# KiCad board KeyBoard.kicad_pcb
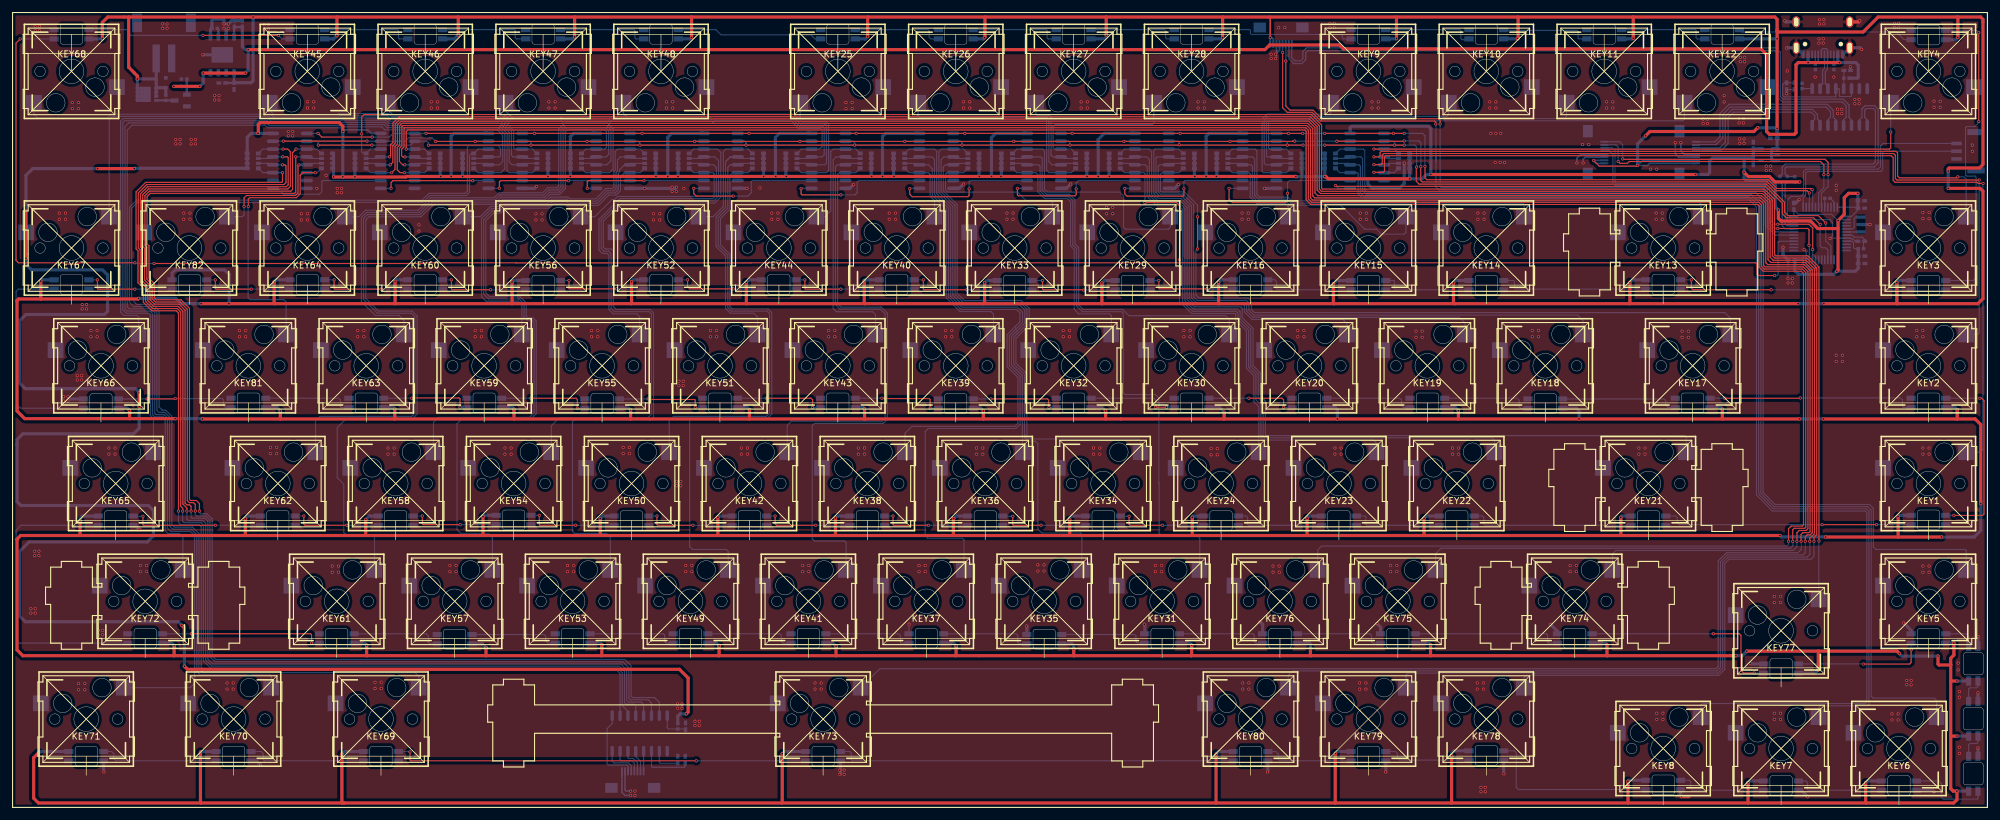
[diagram p0: board, top side]
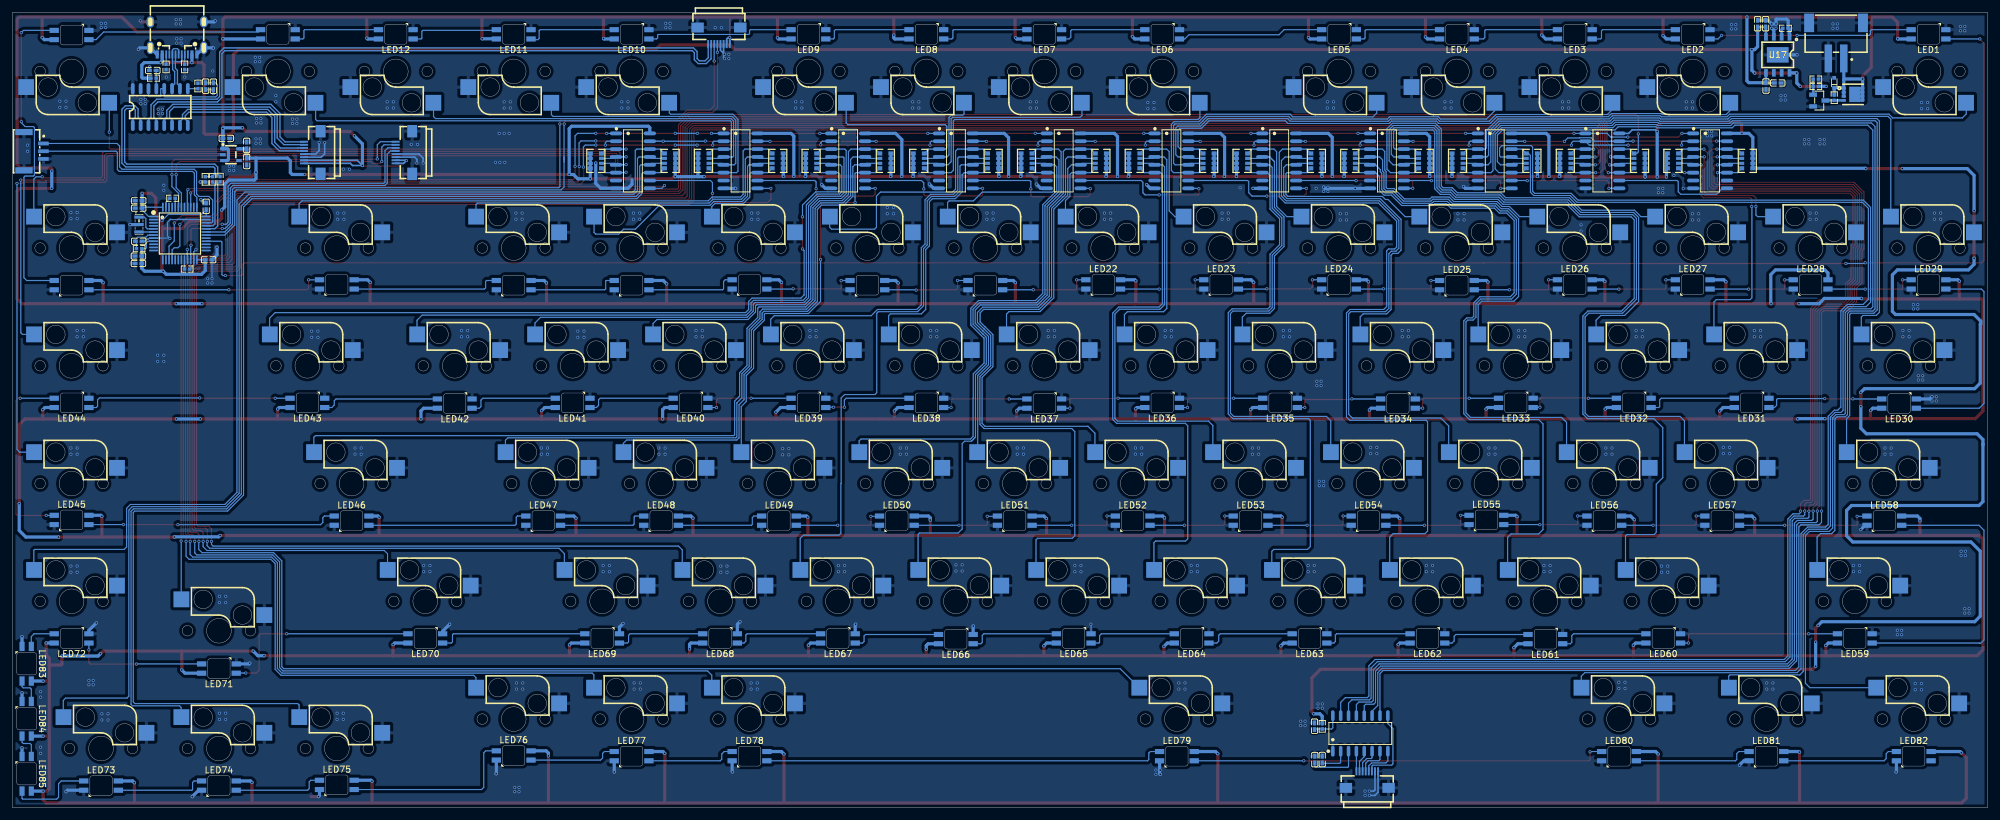
[diagram p1: board, bottom side, seen from below]

Outline 319.15 x 128.65 mm; copper layers: Top, Bottom. Coordinates in mm from the lower left corner of the outline.
Outline path: rectangle 0,128.65 319.15,0
Stack: Top 0.035mm / dielectric 1.51mm FR4 er 4.5 / Bottom 0.035mm

## Placement (name value [footprint] x y rotation side)
C1  4.7nF  [C0402]  107.51 7.78 90 bottom
C2  5pF  [C0402]  108.71 7.77 270 bottom
C3  100nF  [C0402]  108.76 13.17 270 bottom
C4  10uF  [C0402]  284.59 108.28 180 bottom
C5  10uF  [C0402]  281.29 107.12 90 bottom
C6  100nF  [C0402]  281.29 104.53 270 bottom
C7  100nF  [C0402]  298.73 91.63 180 bottom
C8  10uF  [C0402]  298.78 88.03 0 bottom
C9  100nF  [C0402]  298.78 89.23 0 bottom
C10  100nF  [C0402]  287.44 88.63 180 bottom
C11  100nF  [C0402]  298.74 96.98 0 bottom
C12  100nF  [C0402]  298.74 98.18 0 bottom
C13  100nF  [C0402]  287.84 97.27 90 bottom
C14  10uF  [C0402]  286.67 116.7 270 bottom
C15  100nF  [C0402]  287.92 116.71 90 bottom
C16  10uF  [C0402]  296.46 119.26 0 bottom
C17  100nF  [C0402]  37.16 126.82 270 bottom
C18  10uF  [C0402]  35.86 126.82 90 bottom
C19  100nF  [C0402]  35.81 116.73 90 bottom
C20  10uF  [C0402]  33.91 117.23 180 bottom
CN1  ~  [CONN-TH_3P-P1.25_GH1.25]  315.7 106.19 270 bottom
D1  ~  [SOD-523_L1.2-W0.8-LS1.6-FD]  24.79 117.26 270 bottom
FPC1  ~  [FPC-SMD_P0.50-8P_FGS-XJ-H2.0]  100.24 4.54 0 bottom
FPC2  ~  [FPC-SMD_P0.50-8P_FGS-XJ-H2.0]  204.99 124.86 180 bottom
FPC3  ~  [FPC-SMD_P0.50-8P_FGS-XJ-H2.0]  255.89 105.98 270 bottom
FPC4  ~  [FPC-SMD_P0.50-8P_FGS-XJ-H2.0]  270.69 105.98 270 bottom
KEY1  ~  [轴座_焊接热插拔_不带灯A]  309.59 52.43 0 top
KEY2  ~  [轴座_焊接热插拔_不带灯A]  309.59 71.48 0 top
KEY3  ~  [轴座_焊接热插拔_不带灯A]  309.59 90.53 0 top
KEY4  ~  [轴座_焊接热插拔_不带灯A]  309.59 119.1 180 top
KEY5  ~  [轴座_焊接热插拔_不带灯A]  309.59 33.38 0 top
KEY6  ~  [轴座_焊接热插拔_不带灯A]  304.83 9.56 0 top
KEY7  ~  [轴座_焊接热插拔_不带灯A]  285.78 9.56 0 top
KEY8  ~  [轴座_焊接热插拔_不带灯A]  266.73 9.56 0 top
KEY9  ~  [轴座_焊接热插拔_不带灯A]  219.1 119.1 180 top
KEY10  ~  [轴座_焊接热插拔_不带灯A]  238.15 119.1 180 top
KEY11  ~  [轴座_焊接热插拔_不带灯A]  257.2 119.1 180 top
KEY12  ~  [轴座_焊接热插拔_不带灯A]  276.25 119.1 180 top
KEY13  ~  [轴座_焊接热插拔_不带灯A]  266.73 90.53 0 top
KEY14  ~  [轴座_焊接热插拔_不带灯A]  238.15 90.53 0 top
KEY15  ~  [轴座_焊接热插拔_不带灯A]  219.1 90.53 0 top
KEY16  ~  [轴座_焊接热插拔_不带灯A]  200.05 90.53 0 top
KEY17  ~  [轴座_焊接热插拔_不带灯A]  271.49 71.48 0 top
KEY18  ~  [轴座_焊接热插拔_不带灯A]  247.68 71.48 0 top
KEY19  ~  [轴座_焊接热插拔_不带灯A]  228.63 71.48 0 top
KEY20  ~  [轴座_焊接热插拔_不带灯A]  209.58 71.48 0 top
KEY21  ~  [轴座_焊接热插拔_不带灯A]  264.34 52.43 0 top
KEY22  ~  [轴座_焊接热插拔_不带灯A]  233.39 52.43 0 top
KEY23  ~  [轴座_焊接热插拔_不带灯A]  214.34 52.43 0 top
KEY24  ~  [轴座_焊接热插拔_不带灯A]  195.29 52.43 0 top
KEY25  ~  [轴座_焊接热插拔_不带灯A]  133.38 119.1 180 top
KEY26  ~  [轴座_焊接热插拔_不带灯A]  152.43 119.1 180 top
KEY27  ~  [轴座_焊接热插拔_不带灯A]  171.48 119.1 180 top
KEY28  ~  [轴座_焊接热插拔_不带灯A]  190.53 119.1 180 top
KEY29  ~  [轴座_焊接热插拔_不带灯A]  181 90.53 0 top
KEY30  ~  [轴座_焊接热插拔_不带灯A]  190.53 71.48 0 top
KEY31  ~  [轴座_焊接热插拔_不带灯A]  185.76 33.38 0 top
KEY32  ~  [轴座_焊接热插拔_不带灯A]  171.48 71.48 0 top
KEY33  ~  [轴座_焊接热插拔_不带灯A]  161.95 90.53 0 top
KEY34  ~  [轴座_焊接热插拔_不带灯A]  176.24 52.43 0 top
KEY35  ~  [轴座_焊接热插拔_不带灯A]  166.71 33.38 0 top
KEY36  ~  [轴座_焊接热插拔_不带灯A]  157.19 52.43 0 top
KEY37  ~  [轴座_焊接热插拔_不带灯A]  147.66 33.38 0 top
KEY38  ~  [轴座_焊接热插拔_不带灯A]  138.14 52.43 0 top
KEY39  ~  [轴座_焊接热插拔_不带灯A]  152.43 71.48 0 top
KEY40  ~  [轴座_焊接热插拔_不带灯A]  142.9 90.53 0 top
KEY41  ~  [轴座_焊接热插拔_不带灯A]  128.61 33.38 0 top
KEY42  ~  [轴座_焊接热插拔_不带灯A]  119.09 52.43 0 top
KEY43  ~  [轴座_焊接热插拔_不带灯A]  133.38 71.48 0 top
KEY44  ~  [轴座_焊接热插拔_不带灯A]  123.85 90.53 0 top
KEY45  ~  [轴座_焊接热插拔_不带灯A]  47.65 119.1 180 top
KEY46  ~  [轴座_焊接热插拔_不带灯A]  66.7 119.1 180 top
KEY47  ~  [轴座_焊接热插拔_不带灯A]  85.75 119.1 180 top
KEY48  ~  [轴座_焊接热插拔_不带灯A]  104.8 119.1 180 top
KEY49  ~  [轴座_焊接热插拔_不带灯A]  109.56 33.38 0 top
KEY50  ~  [轴座_焊接热插拔_不带灯A]  100.04 52.43 0 top
KEY51  ~  [轴座_焊接热插拔_不带灯A]  114.33 71.48 0 top
KEY52  ~  [轴座_焊接热插拔_不带灯A]  104.8 90.53 0 top
KEY53  ~  [轴座_焊接热插拔_不带灯A]  90.51 33.38 0 top
KEY54  ~  [轴座_焊接热插拔_不带灯A]  80.99 52.43 0 top
KEY55  ~  [轴座_焊接热插拔_不带灯A]  95.28 71.48 0 top
KEY56  ~  [轴座_焊接热插拔_不带灯A]  85.75 90.53 0 top
KEY57  ~  [轴座_焊接热插拔_不带灯A]  71.46 33.38 0 top
KEY58  ~  [轴座_焊接热插拔_不带灯A]  61.94 52.43 0 top
KEY59  ~  [轴座_焊接热插拔_不带灯A]  76.23 71.48 0 top
KEY60  ~  [轴座_焊接热插拔_不带灯A]  66.7 90.53 0 top
KEY61  ~  [轴座_焊接热插拔_不带灯A]  52.41 33.38 0 top
KEY62  ~  [轴座_焊接热插拔_不带灯A]  42.89 52.43 0 top
KEY63  ~  [轴座_焊接热插拔_不带灯A]  57.18 71.48 0 top
KEY64  ~  [轴座_焊接热插拔_不带灯A]  47.65 90.53 0 top
KEY65  ~  [轴座_焊接热插拔_不带灯A]  16.69 52.43 0 top
KEY66  ~  [轴座_焊接热插拔_不带灯A]  14.31 71.48 0 top
KEY67  ~  [轴座_焊接热插拔_不带灯A]  9.55 90.53 0 top
KEY68  ~  [轴座_焊接热插拔_不带灯A]  9.55 119.1 180 top
KEY69  ~  [轴座_焊接热插拔_不带灯A]  59.56 14.33 0 top
KEY70  ~  [轴座_焊接热插拔_不带灯A]  35.74 14.33 0 top
KEY71  ~  [轴座_焊接热插拔_不带灯A]  11.93 14.33 0 top
KEY72  ~  [轴座_焊接热插拔_不带灯A]  21.46 33.38 0 top
KEY73  ~  [轴座_焊接热插拔_不带灯A]  130.99 14.33 0 top
KEY74  ~  [轴座_焊接热插拔_不带灯A]  252.44 33.38 0 top
KEY75  ~  [轴座_焊接热插拔_不带灯A]  223.86 33.38 0 top
KEY76  ~  [轴座_焊接热插拔_不带灯A]  204.81 33.38 0 top
KEY77  ~  [轴座_焊接热插拔_不带灯A]  285.78 28.61 0 top
KEY78  ~  [轴座_焊接热插拔_不带灯A]  238.15 14.33 0 top
KEY79  ~  [轴座_焊接热插拔_不带灯A]  219.1 14.33 0 top
KEY80  ~  [轴座_焊接热插拔_不带灯A]  200.05 14.33 0 top
KEY81  ~  [轴座_焊接热插拔_不带灯A]  38.13 71.48 0 top
KEY82  ~  [轴座_焊接热插拔_不带灯A]  28.6 90.53 0 top
LED1  ~  [LED-SMD_L3.2-W2.8_YO-WS2812B-3528A]  9.55 125.1 0 bottom
LED2  ~  [LED-SMD_L3.2-W2.8_YO-WS2812B-3528A]  47.65 125.1 0 bottom
LED3  ~  [LED-SMD_L3.2-W2.8_YO-WS2812B-3528A]  66.7 125.1 0 bottom
LED4  ~  [LED-SMD_L3.2-W2.8_YO-WS2812B-3528A]  85.75 125.1 0 bottom
LED5  ~  [LED-SMD_L3.2-W2.8_YO-WS2812B-3528A]  104.8 125.1 0 bottom
LED6  ~  [LED-SMD_L3.2-W2.8_YO-WS2812B-3528A]  133.38 125.1 0 bottom
LED7  ~  [LED-SMD_L3.2-W2.8_YO-WS2812B-3528A]  152.43 125.1 0 bottom
LED8  ~  [LED-SMD_L3.2-W2.8_YO-WS2812B-3528A]  171.48 125.1 0 bottom
LED9  ~  [LED-SMD_L3.2-W2.8_YO-WS2812B-3528A]  190.53 125.1 0 bottom
LED10  ~  [LED-SMD_L3.2-W2.8_YO-WS2812B-3528A]  219.1 125.1 0 bottom
LED11  ~  [LED-SMD_L3.2-W2.8_YO-WS2812B-3528A]  238.15 125.1 0 bottom
LED12  ~  [LED-SMD_L3.2-W2.8_YO-WS2812B-3528A]  257.2 125.1 0 bottom
LED13  ~  [LED-SMD_L3.2-W2.8_YO-WS2812B-3528A]  276.25 125.1 0 bottom
LED14  ~  [LED-SMD_L3.2-W2.8_YO-WS2812B-3528A]  309.59 124.99 0 bottom
LED15  ~  [LED-SMD_L3.2-W2.8_YO-WS2812B-3528A]  309.59 84.53 180 bottom
LED16  ~  [LED-SMD_L3.2-W2.8_YO-WS2812B-3528A]  266.73 84.64 180 bottom
LED17  ~  [LED-SMD_L3.2-W2.8_YO-WS2812B-3528A]  238.15 84.53 180 bottom
LED18  ~  [LED-SMD_L3.2-W2.8_YO-WS2812B-3528A]  219.1 84.53 180 bottom
LED19  ~  [LED-SMD_L3.2-W2.8_YO-WS2812B-3528A]  200.05 84.64 180 bottom
LED20  ~  [LED-SMD_L3.2-W2.8_YO-WS2812B-3528A]  181 84.53 180 bottom
LED21  ~  [LED-SMD_L3.2-W2.8_YO-WS2812B-3528A]  161.95 84.53 180 bottom
LED22  ~  [LED-SMD_L3.2-W2.8_YO-WS2812B-3528A]  142.9 84.64 180 bottom
LED23  ~  [LED-SMD_L3.2-W2.8_YO-WS2812B-3528A]  123.85 84.64 180 bottom
LED24  ~  [LED-SMD_L3.2-W2.8_YO-WS2812B-3528A]  104.8 84.64 180 bottom
LED25  ~  [LED-SMD_L3.2-W2.8_YO-WS2812B-3528A]  85.75 84.53 180 bottom
LED26  ~  [LED-SMD_L3.2-W2.8_YO-WS2812B-3528A]  66.7 84.64 180 bottom
LED27  ~  [LED-SMD_L3.2-W2.8_YO-WS2812B-3528A]  47.65 84.64 180 bottom
LED28  ~  [LED-SMD_L3.2-W2.8_YO-WS2812B-3528A]  28.6 84.64 180 bottom
LED29  ~  [LED-SMD_L3.2-W2.8_YO-WS2812B-3528A]  9.55 84.64 180 bottom
LED30  ~  [LED-SMD_L3.2-W2.8_YO-WS2812B-3528A]  14.31 65.36 0 bottom
LED31  ~  [LED-SMD_L3.2-W2.8_YO-WS2812B-3528A]  38.13 65.48 0 bottom
LED32  ~  [LED-SMD_L3.2-W2.8_YO-WS2812B-3528A]  57.18 65.48 0 bottom
LED33  ~  [LED-SMD_L3.2-W2.8_YO-WS2812B-3528A]  76.23 65.48 0 bottom
LED34  ~  [LED-SMD_L3.2-W2.8_YO-WS2812B-3528A]  95.28 65.36 0 bottom
LED35  ~  [LED-SMD_L3.2-W2.8_YO-WS2812B-3528A]  114.33 65.48 0 bottom
LED36  ~  [LED-SMD_L3.2-W2.8_YO-WS2812B-3528A]  133.38 65.48 0 bottom
LED37  ~  [LED-SMD_L3.2-W2.8_YO-WS2812B-3528A]  152.43 65.36 0 bottom
LED38  ~  [LED-SMD_L3.2-W2.8_YO-WS2812B-3528A]  171.48 65.48 0 bottom
LED39  ~  [LED-SMD_L3.2-W2.8_YO-WS2812B-3528A]  190.53 65.48 0 bottom
LED40  ~  [LED-SMD_L3.2-W2.8_YO-WS2812B-3528A]  209.58 65.48 0 bottom
LED41  ~  [LED-SMD_L3.2-W2.8_YO-WS2812B-3528A]  228.63 65.48 0 bottom
LED42  ~  [LED-SMD_L3.2-W2.8_YO-WS2812B-3528A]  247.68 65.36 0 bottom
LED43  ~  [LED-SMD_L3.2-W2.8_YO-WS2812B-3528A]  271.49 65.48 0 bottom
LED44  ~  [LED-SMD_L3.2-W2.8_YO-WS2812B-3528A]  309.59 65.48 0 bottom
LED45  ~  [LED-SMD_L3.2-W2.8_YO-WS2812B-3528A]  309.59 46.54 180 bottom
LED46  ~  [LED-SMD_L3.2-W2.8_YO-WS2812B-3528A]  264.34 46.43 180 bottom
LED47  ~  [LED-SMD_L3.2-W2.8_YO-WS2812B-3528A]  233.39 46.43 180 bottom
LED48  ~  [LED-SMD_L3.2-W2.8_YO-WS2812B-3528A]  214.34 46.43 180 bottom
LED49  ~  [LED-SMD_L3.2-W2.8_YO-WS2812B-3528A]  195.29 46.43 180 bottom
LED50  ~  [LED-SMD_L3.2-W2.8_YO-WS2812B-3528A]  176.24 46.43 180 bottom
LED51  ~  [LED-SMD_L3.2-W2.8_YO-WS2812B-3528A]  157.19 46.43 180 bottom
LED52  ~  [LED-SMD_L3.2-W2.8_YO-WS2812B-3528A]  138.14 46.43 180 bottom
LED53  ~  [LED-SMD_L3.2-W2.8_YO-WS2812B-3528A]  119.09 46.43 180 bottom
LED54  ~  [LED-SMD_L3.2-W2.8_YO-WS2812B-3528A]  100.04 46.43 180 bottom
LED55  ~  [LED-SMD_L3.2-W2.8_YO-WS2812B-3528A]  80.99 46.54 180 bottom
LED56  ~  [LED-SMD_L3.2-W2.8_YO-WS2812B-3528A]  61.94 46.43 180 bottom
LED57  ~  [LED-SMD_L3.2-W2.8_YO-WS2812B-3528A]  42.89 46.43 180 bottom
LED58  ~  [LED-SMD_L3.2-W2.8_YO-WS2812B-3528A]  16.69 46.43 180 bottom
LED59  ~  [LED-SMD_L3.2-W2.8_YO-WS2812B-3528A]  21.46 27.38 0 bottom
LED60  ~  [LED-SMD_L3.2-W2.8_YO-WS2812B-3528A]  52.41 27.38 0 bottom
LED61  ~  [LED-SMD_L3.2-W2.8_YO-WS2812B-3528A]  71.46 27.26 0 bottom
LED62  ~  [LED-SMD_L3.2-W2.8_YO-WS2812B-3528A]  90.51 27.38 0 bottom
LED63  ~  [LED-SMD_L3.2-W2.8_YO-WS2812B-3528A]  109.56 27.38 0 bottom
LED64  ~  [LED-SMD_L3.2-W2.8_YO-WS2812B-3528A]  128.61 27.38 0 bottom
LED65  ~  [LED-SMD_L3.2-W2.8_YO-WS2812B-3528A]  147.66 27.38 0 bottom
LED66  ~  [LED-SMD_L3.2-W2.8_YO-WS2812B-3528A]  166.71 27.26 0 bottom
LED67  ~  [LED-SMD_L3.2-W2.8_YO-WS2812B-3528A]  185.76 27.38 0 bottom
LED68  ~  [LED-SMD_L3.2-W2.8_YO-WS2812B-3528A]  204.81 27.38 0 bottom
LED69  ~  [LED-SMD_L3.2-W2.8_YO-WS2812B-3528A]  223.86 27.38 0 bottom
LED70  ~  [LED-SMD_L3.2-W2.8_YO-WS2812B-3528A]  252.44 27.38 0 bottom
LED71  ~  [LED-SMD_L3.2-W2.8_YO-WS2812B-3528A]  285.78 22.5 0 bottom
LED72  ~  [LED-SMD_L3.2-W2.8_YO-WS2812B-3528A]  309.59 27.38 0 bottom
LED73  ~  [LED-SMD_L3.2-W2.8_YO-WS2812B-3528A]  304.83 3.56 180 bottom
LED74  ~  [LED-SMD_L3.2-W2.8_YO-WS2812B-3528A]  285.78 3.56 180 bottom
LED75  ~  [LED-SMD_L3.2-W2.8_YO-WS2812B-3528A]  266.73 3.68 180 bottom
LED76  ~  [LED-SMD_L3.2-W2.8_YO-WS2812B-3528A]  238.15 8.44 180 bottom
LED77  ~  [LED-SMD_L3.2-W2.8_YO-WS2812B-3528A]  219.1 8.33 180 bottom
LED78  ~  [LED-SMD_L3.2-W2.8_YO-WS2812B-3528A]  200.05 8.33 180 bottom
LED79  ~  [LED-SMD_L3.2-W2.8_YO-WS2812B-3528A]  130.99 8.33 180 bottom
LED80  ~  [LED-SMD_L3.2-W2.8_YO-WS2812B-3528A]  59.56 8.33 180 bottom
LED81  ~  [LED-SMD_L3.2-W2.8_YO-WS2812B-3528A]  35.74 8.33 180 bottom
LED82  ~  [LED-SMD_L3.2-W2.8_YO-WS2812B-3528A]  11.93 8.33 180 bottom
LED83  ~  [LED-SMD_L3.2-W2.8_YO-WS2812B-3528A]  316.84 23.28 270 bottom
LED84  ~  [LED-SMD_L3.2-W2.8_YO-WS2812B-3528A]  316.84 14.38 270 bottom
LED85  ~  [LED-SMD_L3.2-W2.8_YO-WS2812B-3528A]  316.84 5.48 270 bottom
Q1  ~  [POWERTDFN-8_L3.1-W3.1-P0.65-LS3.3-BL]  21.75 115.38 270 bottom
Q2  ~  [SOT-23-3_L2.9-W1.3-P1.90-LS2.4-BR]  27.2 114.39 0 bottom
R1  10kΩ  [RES-ARRAY-SMD_0603-8P-L3.2-W1.6-BL]  224.87 104.63 90 bottom
R2  10kΩ  [RES-ARRAY-SMD_0603-8P-L3.2-W1.6-BL]  212.89 104.63 270 bottom
R3  10kΩ  [RES-ARRAY-SMD_0603-8P-L3.2-W1.6-BL]  207.48 104.63 90 bottom
R4  10kΩ  [RES-ARRAY-SMD_0603-8P-L3.2-W1.6-BL]  195.5 104.63 270 bottom
R5  10kΩ  [RES-ARRAY-SMD_0603-8P-L3.2-W1.6-BL]  190.09 104.63 90 bottom
R6  10kΩ  [RES-ARRAY-SMD_0603-8P-L3.2-W1.6-BL]  178.11 104.63 270 bottom
R7  10kΩ  [RES-ARRAY-SMD_0603-8P-L3.2-W1.6-BL]  172.69 104.63 90 bottom
R8  10kΩ  [RES-ARRAY-SMD_0603-8P-L3.2-W1.6-BL]  160.69 104.63 270 bottom
R9  10kΩ  [RES-ARRAY-SMD_0603-8P-L3.2-W1.6-BL]  155.28 104.63 90 bottom
R10  10kΩ  [RES-ARRAY-SMD_0603-8P-L3.2-W1.6-BL]  143.28 104.63 270 bottom
R11  10kΩ  [RES-ARRAY-SMD_0603-8P-L3.2-W1.6-BL]  137.87 104.63 90 bottom
R12  10kΩ  [RES-ARRAY-SMD_0603-8P-L3.2-W1.6-BL]  125.87 104.63 270 bottom
R13  10kΩ  [RES-ARRAY-SMD_0603-8P-L3.2-W1.6-BL]  120.46 104.63 90 bottom
R14  10kΩ  [RES-ARRAY-SMD_0603-8P-L3.2-W1.6-BL]  108.46 104.63 270 bottom
R15  10kΩ  [RES-ARRAY-SMD_0603-8P-L3.2-W1.6-BL]  103.05 104.63 90 bottom
R16  10kΩ  [RES-ARRAY-SMD_0603-8P-L3.2-W1.6-BL]  91.05 104.63 270 bottom
R17  10kΩ  [RES-ARRAY-SMD_0603-8P-L3.2-W1.6-BL]  85.64 104.63 90 bottom
R18  10kΩ  [RES-ARRAY-SMD_0603-8P-L3.2-W1.6-BL]  73.64 104.63 270 bottom
R19  10kΩ  [RES-ARRAY-SMD_0603-8P-L3.2-W1.6-BL]  68.23 104.63 90 bottom
R20  10kΩ  [RES-ARRAY-SMD_0603-8P-L3.2-W1.6-BL]  56.25 104.63 270 bottom
R21  10kΩ  [RES-ARRAY-SMD_0603-8P-L3.2-W1.6-BL]  50.84 104.63 90 bottom
R22  10kΩ  [RES-ARRAY-SMD_0603-8P-L3.2-W1.6-BL]  38.84 104.63 270 bottom
R23  20Ω  [R0402]  107.51 13.15 270 bottom
R24  10kΩ  [R0402]  298.67 90.43 180 bottom
R25  22Ω  [R0402]  285.59 101.68 90 bottom
R26  22Ω  [R0402]  286.79 101.66 90 bottom
R27  1.5kΩ  [R0402]  287.99 101.64 270 bottom
R28  10KΩ  [R0402]  293.27 98.58 0 bottom
R29  10KΩ  [R0402]  290.91 87.13 180 bottom
R30  5.1kΩ  [R0402]  294.32 119.83 90 bottom
R31  5.1kΩ  [R0402]  291.32 119.83 90 bottom
R32  100kΩ  [R0402]  289.17 116.74 90 bottom
R33  4.7Ω  [R0402]  296.35 118.01 0 bottom
R34  10kΩ  [R0402]  27.76 116.66 0 bottom
R35  10kΩ  [R0402]  27.76 117.86 180 bottom
R36  100kΩ  [R0402]  24.79 114.84 270 bottom
R37  1kΩ  [R0402]  32.66 126.08 0 bottom
U1  ~  [SOIC-16_L9.9-W3.9-P1.27-LS6.0-BL]  218.89 104.63 270 bottom
U2  ~  [SOIC-16_L9.9-W3.9-P1.27-LS6.0-BL]  201.5 104.63 270 bottom
U3  ~  [SOIC-16_L9.9-W3.9-P1.27-LS6.0-BL]  184.11 104.63 270 bottom
U4  ~  [SOIC-16_L9.9-W3.9-P1.27-LS6.0-BL]  166.69 104.63 270 bottom
U5  ~  [SOIC-16_L9.9-W3.9-P1.27-LS6.0-BL]  149.28 104.63 270 bottom
U6  ~  [SOIC-16_L9.9-W3.9-P1.27-LS6.0-BL]  131.87 104.63 270 bottom
U7  ~  [SOIC-16_L9.9-W3.9-P1.27-LS6.0-BL]  114.46 104.63 270 bottom
U8  ~  [SOIC-16_L9.9-W3.9-P1.27-LS6.0-BL]  97.05 104.63 270 bottom
U9  ~  [SOIC-16_L9.9-W3.9-P1.27-LS6.0-BL]  79.64 104.63 270 bottom
U10  ~  [SOIC-16_L9.9-W3.9-P1.27-LS6.0-BL]  62.25 104.63 270 bottom
U11  ~  [SOIC-16_L9.9-W3.9-P1.27-LS6.0-BL]  44.84 104.63 270 bottom
U12  ~  [SOP-16_L10.0-W3.9-P1.27-LS6.0-BL]  101.36 12 180 bottom
U13  ~  [LQFP-48_L7.0-W7.0-P0.50-LS9.0-BL]  292.09 92.88 270 bottom
U14  ~  [SOT-25_L3.0-W1.6-P0.95-LS2.8-BL]  283.84 105.63 270 bottom
U15  ~  [SOP-16]  295.25 113.34 180 bottom
U16  ~  [CONN-SMD_2P-P2.50_HCTL_HC-XH-2ALT]  24.49 124.08 0 bottom
U17  ~  [ESOP-8_L4.9-W3.9-P1.27-LS6.0-BL-EP]  33.91 121.78 0 bottom
USBC1  ~  [USB-C-SMD_TYPE-C-USB-17]  292.54 124.48 0 bottom
X1  8MHz  [OSC-SMD_3P-L3.2-W1.3-P1.20]  298.69 94.33 270 bottom

## Library data of the parts
C1-C20 = -: Datasheet: https://atta.szlcsc.com/upload/public/pdf/source/20170923/C1538_1506149261557988345.pdf; Description: 容值:4.7nF;精度:±10%;额定电压:50V;温度系数:X7R;; Manufacturer Part: 0402B472K500NT; Manufacturer: FH(风华); Supplier Part: C1538; Supplier: LCSC; LCSC Part Name: 4.7nF ±10% 50V
CN1 = -: Datasheet: https://atta.szlcsc.com/upload/public/pdf/source/20220527/CB8773BFB0913C3B8ABD62CB38BA101A.pdf; Description: 插针结构:1x3P;间距:1.25mm;安装方式:卧贴;参考系列:GH;总PIN数:3P;排数:1;每排PIN数:3;行距:-;额定电流:1A;触头材质:黄铜;触头镀层:-;工作温度范围:-25°C~+85°C;; Manufacturer Part: WAFER-GH1.25-3PWB; Manufacturer: XUNPU(讯普); Supplier Part: C3029378; Supplier: LCSC; LCSC Part Name: 1x3P 间距:1.25mm 卧贴 系列:GH
D1 = -: Datasheet: https://atta.szlcsc.com/upload/public/pdf/source/20200413/C511871_84C991E4F87F9BC6B00A967897FF2061.pdf; Description: 直流反向耐压(Vr):40V;平均整流电流(Io):1A;正向压降(Vf):900mV@3A;; Manufacturer Part: B5819WS; Manufacturer: BORN伯恩半导体; Supplier Part: C511873; Supplier: LCSC; LCSC Part Name: 40V 1A 900mV@3A
FPC1-FPC4 = -: Datasheet: https://atta.szlcsc.com/upload/public/pdf/source/20180814/C262657_E4DDBFDEF95394073062C4B6399AAD54.pdf; Description: 间距:0.5mm;触点数量:8;锁定特性:翻盖式;安装类型:卧贴;触点类型:下接;; Manufacturer Part: AFC01-S08FCA-00; Manufacturer: JS(钜硕电子); Supplier Part: C262657; Supplier: LCSC; LCSC Part Name: 0.5mm P数:8 翻盖式 下接
LED1-LED85 = -: Manufacturer Part: Yo-WS2812B-3528反贴雾状; Manufacturer: null; Supplier Part: C9900003682; Supplier: LCSC
Q1 = -: Datasheet: https://atta.szlcsc.com/upload/public/pdf/source/20191122/C461961_5C753ED95CD6C8D583B3B6533D88D95D.pdf; Description: 类型:P沟道;漏源电压(Vdss):30V;连续漏极电流(Id):21A;功率(Pd):2.5W;导通电阻(RDS(on)@Vgs,Id):12mΩ@10V,13A;阈值电压(Vgs(th)@Id):3V@250μA;; Manufacturer Part: EMB12P03V; Manufacturer: EMC(杰力); Supplier Part: C461961; Supplier: LCSC; LCSC Part Name: P沟道 30V 21A
Q2 = -: Datasheet: https://atta.szlcsc.com/upload/public/pdf/source/20211203/FAF9E446EEEFA352739C30D23AB52B1B.pdf; Manufacturer Part: S8050 J3Y; Manufacturer: FOSAN(富信); Supplier Part: C2926165; Supplier: LCSC; LCSC Part Name: S8050
R1-R22 = -: Datasheet: https://atta.szlcsc.com/upload/public/pdf/source/20170615/1497511005633.pdf; Description: 阻值:10kΩ;精度:±5%;单个元件功率:62.5mW;温度系数:±200ppm/°C;电阻器数:4;引脚数:8;; Manufacturer Part: 4D03WGJ0103T5E; Manufacturer: UNI-ROYAL(厚声); Supplier Part: C29718; Supplier: LCSC; LCSC Part Name: 10kΩ ±5%
R23-R37 = -: Datasheet: https://atta.szlcsc.com/upload/public/pdf/source/20200306/C422600_1E6D84923E4A46A82E41ADD87F860B5C.pdf; Description: 电阻类型:厚膜电阻;阻值:22Ω;精度:±1%;功率:62.5mW;温度系数:±200ppm/°C;最大工作电压:50V;工作温度范围:-55°C~+155°C;; Manufacturer Part: 0402WGF220JTCE; Manufacturer: UNI-ROYAL(厚声); Supplier Part: C25092; Supplier: LCSC; LCSC Part Name: 22Ω ±1% 62.5mW
U1-U11 = -: Datasheet: https://atta.szlcsc.com/upload/public/pdf/source/20160218/1457707760975.pdf; Manufacturer Part: 74HC165D,653; Manufacturer: Nexperia(安世); Supplier Part: C5613; Supplier: LCSC; LCSC Part Name: 74HC165D,653
U12 = -: Datasheet: https://atta.szlcsc.com/upload/public/pdf/source/20190425/C389301_2765276B9807B373B3EC2D450064AC70.pdf; Description: 6通道电容式触摸芯片  强抗干扰   可以抗电机 变频器 高压高频 适配器的干扰; Manufacturer Part: XW06A; Manufacturer: Sam&wing(芯网); Supplier Part: C389301; Supplier: LCSC; LCSC Part Name: XW06A
U13 = -: Datasheet: https://atta.szlcsc.com/upload/public/pdf/source/20140724/1457707170379.pdf; Description: 主频（MAX):72MHz;工作电压:2V ~ 3.6V;; Manufacturer Part: STM32F103CBT6; Manufacturer: ST(意法半导体); Supplier Part: C8304; Supplier: LCSC; LCSC Part Name: STM32F103CBT6
U14 = -: Datasheet: https://atta.szlcsc.com/upload/public/pdf/source/20190903/C424705_1DFB2113A9A78D399905DBF688657204.pdf; Description: 输出类型:固定;输出极性:正;输出通道数:1;最大输入电压:6V;输出电压:3.3V;压差:75mV@(100mA);输出电流:900mA;电源纹波抑制比(PRSS):60dB@(1kHz);; Manufacturer Part: XC6210B332MR; Manufacturer: TOREX(特瑞仕); Supplier Part: C424705; Supplier: LCSC; LCSC Part Name: Vin=6V Vout=3.3V 900mA 60dB@(1kHz)
U16 = -: Datasheet: https://atta.szlcsc.com/upload/public/pdf/source/20230619/87C018EBE425F10E4B035B436CF5FBBC.pdf; Description: 参考系列:XH;间距:2.54mm;插针结构:1x2P;排数:1;每排PIN数:2;行距:-;公母:公型插针;安装方式:立贴;额定电流:3A;触头材质:黄铜;触头镀层:锡;工作温度范围:-25°C~+85°C;焊接温度(最大值):260°C;; Manufacturer Part: ZX-XH2.54-2PLT; Manufacturer: Megastar(兆星); Supplier Part: C7429680; Supplier: LCSC; LCSC Part Name: XH 2.54mm 1x2P 立贴
U17 = -: Datasheet: https://atta.szlcsc.com/upload/public/pdf/source/20190327/C382139_EC85960E6FE3E26856C240C81751A184.pdf; Description: 充电电池的类型:-;电池单元组数:-;最大充电电流:-;充满的电池组电压:-;最大供应电压:-;; Manufacturer Part: TP4056; Manufacturer: TPOWER(天源); Supplier Part: C382139; Supplier: LCSC; LCSC Part Name: 1A鋰電池充電IC
USBC1 = -: Datasheet: https://atta.szlcsc.com/upload/public/pdf/source/20210305/C167321_3BB79E85CEB6874BF587E64926D16F83.pdf; Description: 连接器类型:Type-C;标准:-;公母:母座;触点数量:16;端口数量:1;额定电流 - 电源:3A;; Manufacturer Part: 918-418K2023S40001; Manufacturer: 精拓金; Supplier Part: C167321; Supplier: LCSC; LCSC Part Name: Type-C 母座
X1 = -: Datasheet: https://atta.szlcsc.com/upload/public/pdf/source/20181211/C341525_832BA077079E4863A5153C1DB98581D5.pdf; Description: 频率:8MHz;频率容差:±0.07%;内藏负载电容:33pF;谐振阻抗:40Ω;; Manufacturer Part: CSTNE8M00GH5C000R0; Manufacturer: muRata(村田); Supplier Part: C341525; Supplier: LCSC; LCSC Part Name: 8MHz ±0.07% 33pF
